# Altium PCB 58.13.0093_400_Rev00.PcbDoc (part 2 of 3)
Units mm, origin at the board's own origin, x right, y up, seen from the top; angles counter-clockwise.
Board outline 40 x 62.5 mm, 4 copper layers (Top Layer, Mid-Layer 1, Mid-Layer 2, Bottom Layer), stack 1.701 mm thick; 173 components, 104 nets, 583 pads, 329 vias.
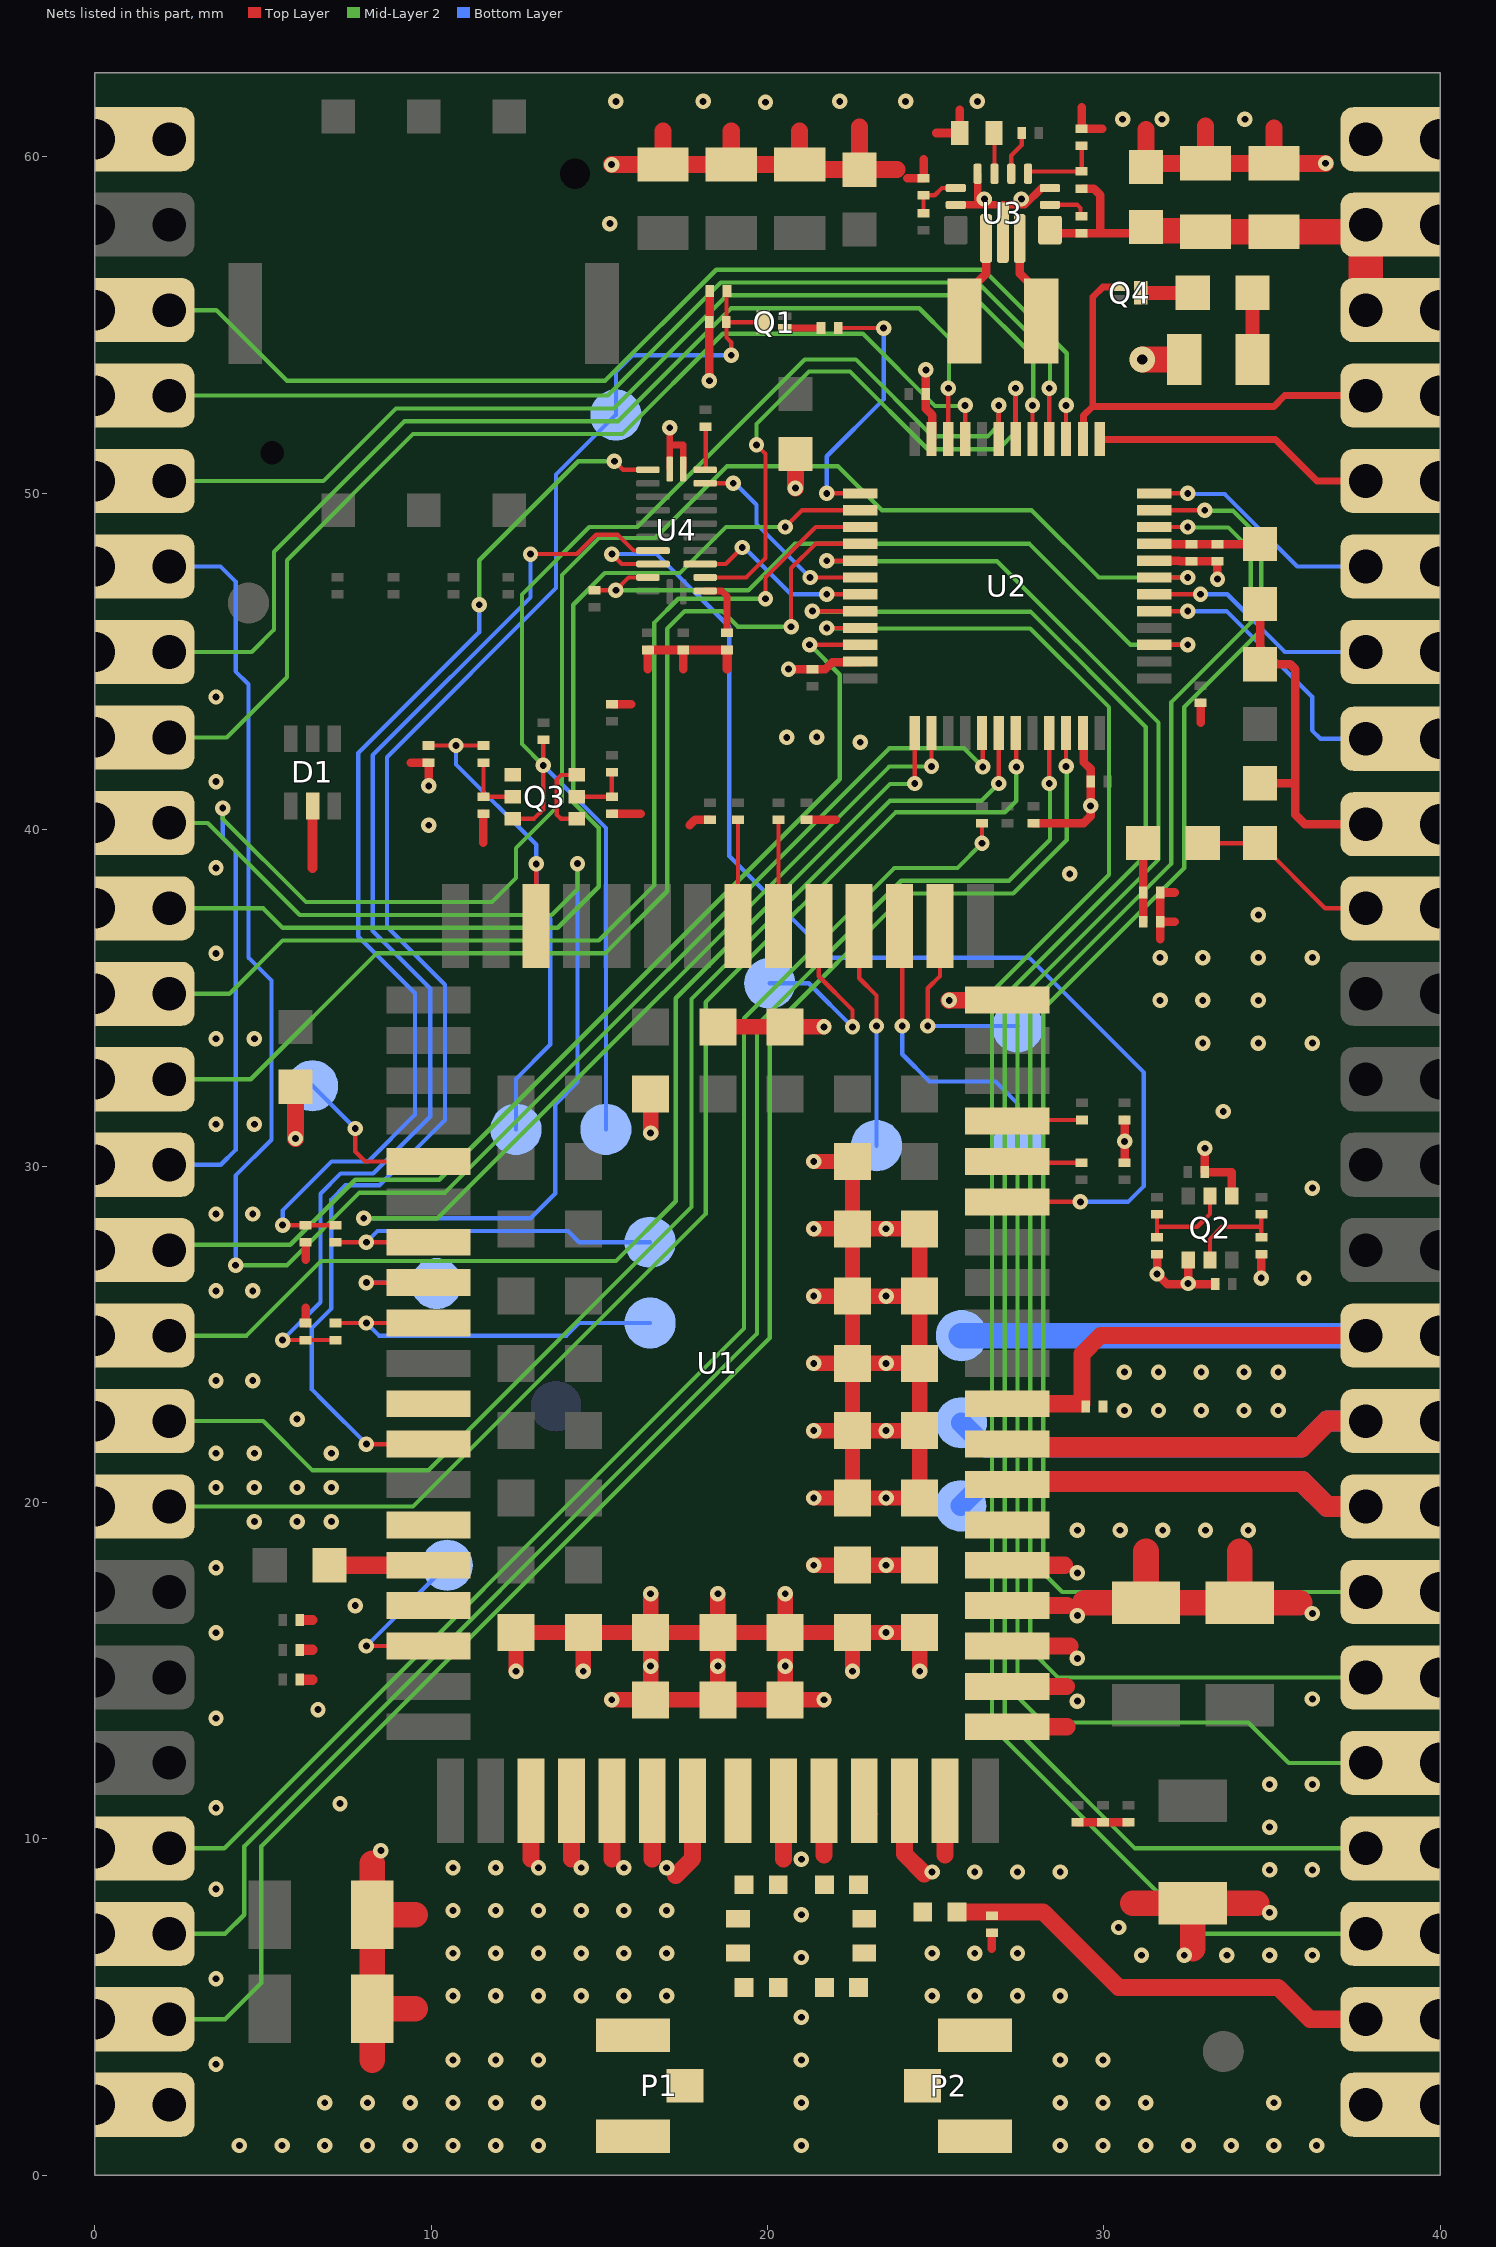
[diagram p4: the nets of this part, all layers, seen from the top]

## Via types
v1: diameter 0.457, hole 0.203, Top Layer to Bottom Layer, tented both sides, 322 vias
v2: diameter 0.762, hole 0.305, Top Layer to Bottom Layer, tented both sides, 5 vias
v3: diameter 1.016, hole 0.508, Top Layer to Bottom Layer, tented both sides, 2 vias

## Nets (pads, with @x,y where several pads share a name; then routed paths per layer and width w, separated by ;. In a path a pad name is that pad's centre, name@x,y a point inside that pad or via, vN(x,y) a via of type N, cw(c..) or ccw(c..) an arc to the next point about the centre after c; other vN are vias at no path point) (continued)
GND: C1.1 C2.1 C3.1 C4.2 C7.2 C8.2 C9.1 C10.1 C11.1 C12.2 C13.1 C14.1 C15.1 C16.1 C17.1 C18.2 C19.2 C20.2 C21.1 C22.1 C23.1 C24.1 C25.1 C30.1 C31.1 C32.1 C33.1 C34.1 C35.1 C36.1 C37.1 C38.1 C39.1 C40.1 C41.1 C42.1 C43.1 C44.1 C45.1 C46.1 C47.1 C48.1 C51.1 D1.2 J1.1 J24.1 J25.1 J48.1 L3.1 L4.1 L6.1 L7.1 P1.2 P1.3 P2.2 P2.3 Q2.1 Q2.4 Q3.4 R1.1 R4.1 R6.1 R9.2 R18.1 R21.1 R24.1 R29.1 R33.2 R34.1 R37.2 U1.4 U1.6 U1.9 U1.34 U1.47 U1.48 U1.49 U1.50 U1.51 U1.52 U1.54 U1.55 U1.57 U1.58 U1.60 U1.61 U1.62 U1.63 U1.64 U1.81 U1.82 U1.83 U1.85 U1.86 U1.88 U1.89 U1.90 U1.92 U1.93 U1.94 U1.95 U1.96 U1.97 U1.98 U1.99 U1.100 U1.101 U1.102 U1.103 U1.104 U1.105 U1.245 U1.250 U1.251 U1.252 U2.8 U2.23 U2.35 U2.47 U3.4 U3.6 U3.10 U3.15 U4.11 U4.12 | length 197.5
  Top Layer w0.178: U3.15@28.396,59.07 U3.15@28.414,59.089
  Top Layer w0.203: U4.12@17.096,50.72 17.096,51.435 ; v1(17.096,51.943) 17.096,51.435 ; U4.11@17.496,50.72 17.496,51.435 17.096,51.435
  Top Layer w0.229: U3.6@25.596,58.57 27.648,58.57 28.148,59.07 U3.15@28.396,59.07 ; v1@26.246,58.745 U3.4@26.246,59.495
  Top Layer w0.254: C10.1@6.274,25.335 6.274,25.781 ; 6.274,27.211 C9.1@6.274,27.735 ; 9.398,41.992 C25.1@9.925,41.992 9.925,41.561 ; 11.557,39.612 R21.1@11.557,40.474 ; R18.1@15.375,40.474 16.237,40.474 ; C24.1@15.375,43.732 15.944,43.732 ; 16.446,44.77 C48.1@16.446,45.339 C47.1@17.496,45.339 ; 17.496,44.77 C47.1@17.496,45.339 ; 17.685,40.132 17.849,40.296 C7.2@18.288,40.296 ; v1(18.271,53.34) C1.1@18.271,55.084 18.271,55.135 18.288,55.152 R1.1@18.288,56.007 ; 18.796,44.77 R37.2@18.796,45.339 C47.1@17.496,45.339 ; v1(20.622,44.77) C32.1@21.344,44.77 21.72,44.77 21.928,44.979 U2.35@22.778,44.979 ; C8.2@21.166,40.296 22.028,40.296 ; 24.155,59.362 R33.2@24.638,59.362 24.638,59.919 ; v1(24.708,53.665) C31.1@24.708,52.944 24.708,52.508 24.897,52.319 U2.23@24.897,51.597 ; 25.011,60.706 C46.1@25.713,60.706 25.713,61.401 ; 26.67,6.739 C51.1@26.67,7.214 ; R24.1@27.901,40.187 29.392,40.187 29.605,40.4 v1(29.605,40.705) ; C23.1@29.21,10.49 C22.1@29.972,10.49 C21.1@30.734,10.49 ; 29.337,61.468 R34.1@29.337,60.833 29.947,60.833 ; U2.47@29.397,42.86 29.397,42.01 29.605,41.802 C33.1@29.605,41.426 v1(29.605,40.705) ; v1@29.58,40.68 v1(29.605,40.705) ; C17.1@30.613,30.099 v1(30.613,30.732) C16.1@30.613,31.369 ; U2.8@31.494,47.994 32.245,47.994 32.258,47.981 C36.1@32.608,47.981 C35.1@33.37,47.981 33.37,47.453 v1(33.376,47.447) ; R6.1@31.578,27.373 v1(31.578,26.791) 31.877,26.492 C3.1@33.305,26.492 ; 31.679,36.748 C38.1@31.679,37.262 ; 32.1,37.262 C38.1@31.679,37.262 ; 32.1,38.131 C37.1@31.679,38.131 C38.1@31.679,37.262 ; v1(32.503,26.508) Q2.1@32.503,27.211 ; 32.874,43.18 C30.1@32.874,43.774 ; v1(33.001,30.529) C2.1@33.001,29.82 33.803,29.82 Q2.4@33.803,29.111 ; v1(34.677,26.67) R4.1@34.677,27.373 ; C44.1@35.052,59.805 C44.1@35.052,59.817
  Top Layer w0.305: C13.1@6.147,14.732 6.477,14.732 ; C14.1@6.147,15.621 6.477,15.621 ; C15.1@6.147,16.51 6.477,16.51 ; 6.477,38.862 D1.2@6.477,40.7
  Top Layer w0.457: v1(12.525,14.982) U1.245@12.525,16.135 U1.252@14.525,16.135 ; v1(14.525,14.982) U1.252@14.525,16.135 ; v1(15.372,14.135) U1.81@16.525,14.135 ; v1(16.525,17.288) U1.82@16.525,16.135 ; v1(16.525,30.982) U1.83@16.525,32.135 ; v1(18.525,17.288) U1.86@18.525,16.135 ; U1.88@18.525,34.135 U1.92@20.525,34.135 v1(21.678,34.135) ; v1(20.525,17.288) U1.90@20.525,16.135 ; v1(21.372,18.135) U1.93@22.525,18.135 U1.100@24.525,18.135 ; v1(21.372,20.135) U1.94@22.525,20.135 ; v1(21.372,22.135) U1.95@22.525,22.135 ; v1(21.372,24.135) U1.96@22.525,24.135 ; v1(21.372,26.135) U1.97@22.525,26.135 ; v1(21.372,28.135) U1.98@22.525,28.135 ; v1(21.372,30.135) U1.99@22.525,30.135 U1.98@22.525,28.135 ; v1(21.678,14.135) U1.89@20.525,14.135 ; v1(22.525,14.982) U1.251@22.525,16.135 ; v1(24.525,14.982) U1.250@24.525,16.135 U1.251@22.525,16.135 ; U1.252@14.525,16.135 U1.82@16.525,16.135 ; U1.81@16.525,14.135 U1.82@16.525,16.135 ; U1.81@16.525,14.135 U1.85@18.525,14.135 ; U1.82@16.525,16.135 U1.86@18.525,16.135 ; U1.85@18.525,14.135 U1.86@18.525,16.135 ; U1.85@18.525,14.135 U1.89@20.525,14.135 ; U1.86@18.525,16.135 U1.90@20.525,16.135 ; U1.89@20.525,14.135 U1.90@20.525,16.135 ; U1.90@20.525,16.135 U1.251@22.525,16.135 ; U1.94@22.525,20.135 U1.101@24.525,20.135 U1.102@24.525,22.135 ; U1.94@22.525,20.135 U1.95@22.525,22.135 ; U1.95@22.525,22.135 U1.102@24.525,22.135 ; U1.95@22.525,22.135 U1.96@22.525,24.135 ; U1.96@22.525,24.135 U1.103@24.525,24.135 ; U1.96@22.525,24.135 U1.97@22.525,26.135 ; U1.97@22.525,26.135 U1.98@22.525,28.135 ; U1.97@22.525,26.135 v1(23.525,26.135) U1.104@24.525,26.135 ; U1.98@22.525,28.135 U1.105@24.525,28.135 U1.104@24.525,26.135 ; U1.102@24.525,22.135 U1.103@24.525,24.135 ; U1.103@24.525,24.135 U1.104@24.525,26.135
  Top Layer w0.508: v1(5.969,30.818) R9.2@5.969,32.357 ; 12.975,9.398 U1.64@12.975,11.135 ; 14.175,9.398 U1.63@14.175,11.135 ; v1(15.367,59.766) C42.1@16.891,59.766 ; 15.375,9.398 U1.62@15.375,11.135 ; 16.575,9.398 U1.61@16.575,11.135 ; 16.891,60.769 C42.1@16.891,59.766 ; 17.272,8.915 17.775,9.418 U1.60@17.775,11.135 ; 18.923,60.769 C41.1@18.923,59.766 ; 20.475,9.398 U1.58@20.475,11.008 ; v1(20.828,50.15) C34.1@20.828,51.166 ; 20.955,60.769 C40.1@20.955,59.766 C41.1@18.923,59.766 ; 21.675,9.525 U1.57@21.675,11.135 ; 21.73,59.616 C39.1@22.733,59.616 ; 22.733,60.884 C39.1@22.733,59.616 ; 23.851,59.616 C39.1@22.733,59.616 ; U1.55@24.075,11.135 24.075,9.549 24.66,8.963 ; 25.275,9.525 U1.54@25.275,11.135 ; v1(25.4,34.925) U1.34@27.125,34.935 ; U1.52@27.125,13.335 28.897,13.335 ; U1.51@27.125,14.535 28.892,14.535 ; U1.50@27.125,15.735 28.985,15.735 ; U1.49@27.125,16.935 28.897,16.935 ; U1.48@27.125,18.135 28.829,18.135 ; 31.25,60.808 31.25,59.805 C43.1@33.02,59.805 ; 33.02,60.909 C43.1@33.02,59.805 ; C44.1@35.052,59.817 35.052,60.858 ; v1(36.589,59.805) C44.1@35.052,59.805 C43.1@33.02,59.805 ; C42.1@16.891,59.766 C41.1@18.923,59.766
  Top Layer w0.762: 8.255,3.429 C11.1@8.255,4.953 ; 8.255,9.271 C12.2@8.255,7.747 ; 9.525,4.953 C11.1@8.255,4.953 ; 9.525,7.747 C12.2@8.255,7.747 ; 29.433,17.018 C19.2@31.25,17.018 ; 30.861,8.087 C20.2@32.639,8.087 ; v2(31.138,53.975) R29.1@32.385,53.975 ; 31.25,18.542 C19.2@31.25,17.018 ; 32.639,6.731 C20.2@32.639,8.087 ; 34.036,18.542 C18.2@34.036,17.018 ; 34.544,8.087 C20.2@32.639,8.087 ; 35.814,17.018 C18.2@34.036,17.018 ; C11.1@8.255,4.953 C12.2@8.255,7.747 ; C19.2@31.25,17.018 C18.2@34.036,17.018
  other v1: 4.302,0.889 5.572,0.889 6.842,0.889 8.112,0.889 9.382,0.889 10.652,0.889 11.922,0.889 13.192,0.889 21.006,0.889 28.702,0.889 29.972,0.889 31.242,0.889 32.512,0.889 33.782,0.889 35.052,0.889 36.322,0.889 6.842,2.159 8.112,2.159 9.382,2.159 10.652,2.159 11.922,2.159 13.192,2.159 21.006,2.159 28.702,2.159 29.972,2.159 31.242,2.159 35.052,2.159 3.607,3.302 10.652,3.429 11.922,3.429 13.192,3.429 21.006,3.429 28.702,3.429 29.972,3.429 21.006,4.699 10.652,5.334 11.922,5.334 13.192,5.334 14.462,5.334 15.732,5.334 17.002,5.334 24.892,5.334 26.162,5.334 27.432,5.334 28.702,5.334 3.607,5.842 21.006,6.477 31.115,6.541 32.385,6.541 33.655,6.541 34.925,6.541 36.195,6.541 10.652,6.604 11.922,6.604 13.192,6.604 14.462,6.604 15.732,6.604 17.002,6.604 24.892,6.604 26.162,6.604 27.432,6.604 30.437,7.366 21.006,7.747 34.925,7.811 10.652,7.874 11.922,7.874 13.192,7.874 14.462,7.874 15.732,7.874 17.002,7.874 3.607,8.509 24.892,9.017 26.162,9.017 27.432,9.017 28.702,9.017 34.925,9.081 36.195,9.081 10.652,9.144 11.922,9.144 13.192,9.144 14.462,9.144 15.732,9.144 17.002,9.144 21.006,9.398 8.509,9.652 34.925,10.351 3.607,10.922 7.292,11.049 34.925,11.621 36.195,11.621 3.607,13.589 6.639,13.843 29.21,14.097 36.195,14.161 16.525,15.135 18.525,15.135 20.525,15.135 29.21,15.367 3.607,16.129 23.525,16.135 29.21,16.637 36.195,16.701 7.747,16.935 29.21,17.907 3.607,18.06 23.525,18.135 29.21,19.177 30.48,19.177 31.75,19.177 33.02,19.177 34.29,19.177 4.75,19.431 6.02,19.431 7.036,19.431 23.525,20.135 3.607,20.447 4.75,20.447 6.02,20.447 7.036,20.447 3.607,21.463 4.75,21.463 7.036,21.463 23.525,22.135 6.02,22.479 30.607,22.733 31.623,22.733 32.893,22.733 34.163,22.733 35.179,22.733 3.607,23.622 4.699,23.622 30.607,23.876 31.623,23.876 32.893,23.876 34.163,23.876 35.179,23.876 23.525,24.135 3.607,26.289 4.699,26.289 35.947,26.67 23.525,28.135 3.607,28.575 4.699,28.575 36.195,29.345 3.607,31.242 4.75,31.242 33.547,31.623 32.938,33.655 34.589,33.655 36.195,33.655 3.607,33.782 4.75,33.782 31.668,34.925 32.938,34.925 34.589,34.925 31.668,36.195 32.938,36.195 34.589,36.195 36.195,36.195 3.607,36.322 34.589,37.465 28.985,38.684 3.607,38.862 9.931,40.132 9.931,41.3 3.607,41.426 22.755,42.596 20.574,42.74 21.463,42.748 3.607,43.942 15.316,58.014 26.446,58.745 27.546,58.745 30.556,61.112 31.725,61.112 34.188,61.112 19.939,61.62 15.494,61.646 18.085,61.646 22.149,61.646 24.105,61.646 26.238,61.646
GNSS_ANT: C50.2 L5.2 L6.2 U1.56 | length 0.6
  Top Layer w0.003: U1.56@22.875,11.135 22.875,11.131 23.274,10.733 23.277,10.733
I2C1_SCL: J16.1 U2.42 | length 38.7
  Top Layer w0.127: v1(26.875,41.371) U2.42@26.875,42.875
  Mid-Layer 2 w0.127: J16.1@2.4,22.42 5.012,22.42 6.477,20.955 9.916,20.955 17.744,28.783 17.744,34.963 23.639,40.859 26.363,40.859 v1(26.875,41.371)
I2C1_SDA: J17.1 U2.43 | length 41.8
  Top Layer w0.127: v1(27.397,41.863) U2.43@27.397,42.86
  Mid-Layer 2 w0.127: J17.1@0,19.88 J17.1@2.22,19.88 9.466,19.88 18.161,28.575 18.161,34.868 23.806,40.513 27.051,40.513 27.397,40.859 v1(27.397,41.863)
MCU_BOOT: J21.1 R22.1 | length 44.7
  Top Layer w0.127: v1(26.377,39.593) R22.1@26.377,40.187
  Mid-Layer 2 w0.127: J21.1@0,9.72 J21.1@2.22,9.72 3.853,9.72 19.304,25.171 19.304,34.395 23.771,38.862 25.645,38.862 v1(26.377,39.593)
MCU_NRST: J13.1 U2.7 | length 54.7
  Top Layer w0.127: U2.7@31.494,47.494 v1(32.49,47.494)
  Mid-Layer 2 w0.127: v1(3.81,40.64) 3.81,40.318 6.282,37.846 11.811,37.846 12.525,38.56 12.525,39.449 13.894,40.818 13.894,47.565 14.995,48.666 16.662,48.666 18.796,50.8 22.098,50.8 23.404,49.494 27.849,49.494 29.849,47.494 v1(32.49,47.494)
  Bottom Layer w0.127: J13.1@2.22,30.04 3.751,30.04 4.191,30.48 4.191,39.37 3.81,39.751 v1@3.81,40.601
MCU_PA0: J30.1 U2.10 | length 48.8
  Top Layer w0.127: U2.10@31.494,48.994 v1(32.49,48.994)
  Mid-Layer 2 w0.127: v1@32.512,48.979 33.698,48.979 34.366,48.311 34.366,46.152 32.004,43.79 32.004,38.989 27.813,34.798 27.813,15.621 28.634,14.8 J30.1@37.78,14.8
MCU_PA1: J31.1 U2.11 | length 46.7
  Top Layer w0.127: U2.11@31.494,49.494 v1(32.998,49.494)
  Mid-Layer 2 w0.127: v1@33.02,49.479 33.833,49.479 34.677,48.635 34.677,45.934 32.385,43.643 32.385,38.862 28.194,34.671 28.194,17.907 28.761,17.34 J31.1@37.78,17.34
MCU_PA8: J29.1 U2.29 | length 54.7
  Top Layer w0.127: v1(21.76,47.994) U2.29@22.756,47.994
  Mid-Layer 2 w0.127: v1@21.781,47.979 26.824,47.979 31.623,43.18 31.623,39.116 27.432,34.925 27.432,14.224 28.194,13.462 34.29,13.462 35.492,12.26 J29.1@37.78,12.26
MCU_PA11: J28.1 U2.32 | length 56.3
  Top Layer w0.127: v1(21.333,46.494) U2.32@22.756,46.494
  Mid-Layer 2 w0.127: v1@21.333,46.479 27.816,46.479 31.242,43.053 31.242,39.243 27.051,35.052 27.051,13.589 30.92,9.72 J28.1@37.78,9.72
MCU_PA12: J27.1 U2.33 | length 55.7
  Top Layer w0.127: v1(21.76,45.994) U2.33@22.756,45.994
  Mid-Layer 2 w0.127: v1@21.781,45.979 27.811,45.979 30.15,43.64 30.15,38.659 26.67,35.179 26.67,13.335 32.825,7.18 J27.1@37.78,7.18
MCU_PA15: J9.1 U2.38 | length 56.1
  Top Layer w0.127: v1(24.875,41.879) U2.38@24.875,42.875
  Mid-Layer 2 w0.127: J9.1@0,40.2 J9.1@2.22,40.2 3.361,40.2 6.096,37.465 13.589,37.465 14.351,38.227 v1(14.351,38.989) ; v1(8.001,28.448) 10.191,28.448 23.622,41.879 v1(24.875,41.879)
  Bottom Layer w0.127: v1(8.001,28.448) 12.954,28.448 13.691,29.185 13.691,31.836 14.351,32.496 v1(14.351,38.989)
MCU_PB5: J6.1 U2.41 | length 55.4
  Top Layer w0.127: v1(26.397,41.863) U2.41@26.397,42.86
  Mid-Layer 2 w0.127: v1(4.191,27.051) 5.715,27.051 7.874,29.21 10.414,29.21 23.622,42.418 25.842,42.418 v1(26.397,41.863)
  Bottom Layer w0.127: J6.1@0,47.82 J6.1@2.22,47.82 3.742,47.82 4.191,47.371 4.191,44.704 4.572,44.323 4.572,36.195 5.254,35.513 5.254,30.781 4.191,29.718 v1(4.191,27.051)
MCU_PB8: J22.1 U2.45 | length 49.4
  Top Layer w0.127: v1(28.375,41.371) U2.45@28.375,42.875
  Mid-Layer 2 w0.127: J22.1@2.22,7.18 3.878,7.18 4.445,7.747 4.445,9.779 19.685,25.019 19.685,34.188 23.978,38.481 27.178,38.481 28.397,39.7 v1@28.397,41.355
MCU_PB9: J23.1 U2.46 | length 54.3
  Top Layer w0.127: v1(28.875,41.879) U2.46@28.875,42.875
  Mid-Layer 2 w0.127: J23.1@0,4.64 J23.1@2.22,4.64 3.878,4.64 4.953,5.715 4.953,9.779 20.066,24.892 20.066,34.036 24.13,38.1 27.305,38.1 28.897,39.692 v1@28.897,41.863
MCU_PH0: J41.1 U2.5 | length 8.4
  Top Layer w0.127: U2.5@31.494,46.494 v1(32.49,46.494)
  Bottom Layer w0.127: v1(32.49,46.494) 33.643,46.494 36.188,43.949 36.188,42.95 36.437,42.701 J41.1@37.78,42.701
MCU_PH1: J42.1 U2.6 | length 7
  Top Layer w0.127: U2.6@31.494,46.994 v1(32.87,46.994)
  Bottom Layer w0.127: v1(32.87,46.994) 33.663,46.994 35.377,45.28 J42.1@37.78,45.28
MCU_STATUS: J45.1 Q4.1 U2.14 | length 13.5
  Top Layer w0.203: U2.14@29.397,51.597 29.397,52.307 29.667,52.578 ; Q4.1@30.44,56.129 29.967,56.129 29.667,55.829 29.667,52.578 ; J45.1@37.78,52.9 35.374,52.9 35.052,52.578 29.667,52.578
MCU_SWCLK: J15.1 U2.37 | length 34
  Top Layer w0.127: v1(24.375,41.371) U2.37@24.375,42.875
  Mid-Layer 2 w0.127: J15.1@2.22,24.96 4.513,24.96 6.731,27.178 15.494,27.178 17.272,28.956 17.272,34.986 23.641,41.355 v1@24.397,41.355
MCU_SWDIO: J14.1 U2.34 | length 31.6
  Top Layer w0.127: v1(21.252,45.494) U2.34@22.756,45.494
  Mid-Layer 2 w0.127: J14.1@2.22,27.5 2.381,27.661 5.817,27.661 7.747,29.591 10.242,29.591 22.149,41.498 22.149,44.603 v1@21.273,45.479
MCU_VDDA: J40.1 R25.1 R26.1 R28.2 | length 10.5
  Top Layer w0.254: R28.2@34.64,41.377 35.687,41.377 ; R25.1@34.64,46.708 R26.1@34.64,44.917 35.538,44.917 35.687,44.768 35.687,41.377 ; J40.1@37.78,40.161 35.972,40.161 35.687,40.446 35.687,41.377
MCU_VREF+: J39.1 R27.1 R28.1 | length 5.6
  Top Layer w0.127: R27.1@32.938,39.599 R28.1@34.64,39.599 36.578,37.66 J39.1@37.78,37.66
NetC46_2: C46.2 U3.3 | length 1.2
  Top Layer w0.127: C46.2@26.729,60.706 26.746,60.689 U3.3@26.746,59.495
NetC49_1: C49.1 L4.2 P1.1
NetC50_1: C50.1 L7.2 P2.1
NetL1_A: L1.A Q4.3 | length 1.6
  Top Layer w0.406: Q4.3@31.09,55.951 32.634,55.951 L1.A@32.639,55.956
NetL1_K: L1.K R29.2 | length 2
  Top Layer w0.406: R29.2@34.417,53.975 L1.K@34.417,55.956
NetL2_1: L2.1 U3.11 | length 2.7
  Top Layer w0.254: U3.11@27.496,57.57 27.496,56.527 28.139,55.884 L2.1@28.139,55.118
NetL2_2: L2.2 U3.9 | length 2.7
  Top Layer w0.254: L2.2@25.853,55.118 25.853,55.88 26.496,56.523 U3.9@26.496,57.57
NetQ1_1: Q1.1 R2.2 | length 1.1
  Top Layer w0.203: Q1.1@20.518,54.907 R2.2@21.59,54.907
NetQ2_2: Q2.2 R3.2 R4.2 | length 3
  Top Layer w0.127: Q2.2@33.153,27.211 33.153,27.828 33.519,28.194 34.677,28.194 ; R4.2@34.677,27.881 34.677,28.194 ; R3.2@34.677,28.567 34.677,28.194
NetQ2_5: Q2.5 R5.2 R6.2 | length 3
  Top Layer w0.127: R6.2@31.578,27.881 R5.2@31.578,28.567 ; 31.578,28.194 32.772,28.194 33.153,28.575 Q2.5@33.153,29.111
NetQ3_1: Q3.1 Q3.3 | length 2.3
  Top Layer w0.127: Q3.1@14.329,40.326 13.853,40.326 13.739,40.439 13.739,41.501 13.864,41.626 Q3.3@14.329,41.626
NetQ3_2: Q3.2 R17.2 R18.2 | length 1.8
  Top Layer w0.127: Q3.2@14.329,40.976 15.369,40.976 15.369,41.693 R17.2@15.375,41.7
NetQ3_5: Q3.5 R20.2 R21.2 | length 1.9
  Top Layer w0.127: R20.2@11.557,41.992 R21.2@11.557,40.982 11.563,40.976 Q3.5@12.429,40.976
NetR10_1: R10.1 U1.27 | length 3.2
  Top Layer w0.127: U1.27@19.125,37.135 R10.1@19.125,40.296
NetR13_2: R13.2 U1.5 | length 2.9
  Top Layer w0.508: R13.2@6.985,18.135 U1.5@9.925,18.135
NetR14_1: R14.1 U1.28 | length 3.2
  Top Layer w0.127: U1.28@20.325,37.135 R14.1@20.325,40.296
NetR15_1: R15.1 U1.37 | length 2.2
  Top Layer w0.127: U1.37@27.125,31.335 27.159,31.369 R15.1@29.345,31.369
NetR16_1: R16.1 U1.38 | length 2.2
  Top Layer w0.127: U1.38@27.125,30.135 27.161,30.099 R16.1@29.337,30.099
NetR30_1: R30.1 R33.1 U3.5 | length 1.6
  Top Layer w0.127: R30.1@24.638,58.324 R33.1@24.638,58.854 24.97,58.854 25.187,59.07 U3.5@25.596,59.07
NetR31_2: R31.2 R34.2 U3.1@27.746,59.495 | length 2.4
  Top Layer w0.127: U3.1@27.746,59.495 27.814,59.563 R31.2@29.337,59.563 R34.2@29.337,60.325
  Top Layer w0.178: U3.1@27.746,59.495 27.746,59.532 U3.1@27.764,59.551
NetR32_2: R32.2 U3.14 | length 1.2
  Top Layer w0.127: U3.14@28.396,58.57 29.21,58.57 29.306,58.474 29.306,58.262 R32.2@29.337,58.231
NetR35_1: R35.1 U3.2 | length 1.3
  Top Layer w0.127: U3.2@27.246,59.495 27.246,60.037 27.559,60.35 R35.1@27.559,60.706
NetR37_1: R37.1 U4.1 | length 1.8
  Top Layer w0.203: U4.1@18.146,47.095 18.64,47.095 18.796,46.939 R37.1@18.796,45.847
NetR38_1: R38.1 U4.10 | length 1.3
  Top Layer w0.127: U4.10@18.146,50.695 18.161,50.71 R38.1@18.161,51.968
NetTP_CTS_0_1: TP_CTS_0.1 U1.12 | length 3.9
  Top Layer w0.127: v1(8.077,26.535) U1.12@9.925,26.535
  Bottom Layer w0.127: v1(8.077,26.535) 10.133,26.535 TP_CTS_0.1@10.16,26.508
NetTP_CTS_1_1: TP_CTS_1.1 U1.32 | length 5.8
  Top Layer w0.127: v1(24.765,34.163) 24.765,35.284 25.125,35.645 U1.32@25.125,37.135
  Bottom Layer w0.127: v1(24.765,34.163) TP_CTS_1.1@27.432,34.163
NetTP_rfu_1: TP_rfu.1 U1.3 | length 5.2
  Top Layer w0.127: v1(8.077,15.735) U1.3@9.925,15.735
  Bottom Layer w0.127: v1(8.077,15.735) TP_rfu.1@10.477,18.135
NetTP_RTS_0_1: TP_RTS_0.1 U1.15 | length 4.8
  Top Layer w0.127: v1(7.747,31.115) 7.747,30.432 8.044,30.135 U1.15@9.925,30.135
  Bottom Layer w0.127: TP_RTS_0.1@6.477,32.385 v1(7.747,31.115)
NetTP_RTS_1_1: TP_RTS_1.1 U1.31 | length 9.1
  Top Layer w0.127: U1.31@23.925,37.135 23.925,36.576 24.003,36.498 v1(24.003,34.163)
  Bottom Layer w0.127: v1(24.003,34.163) 24.003,33.324 24.815,32.512 26.779,32.512 27.432,31.859 TP_RTS_1.1@27.432,30.607
NetTP_RXD_1_1: TP_RXD_1.1 U1.30 | length 6.7
  Top Layer w0.127: U1.30@22.725,37.135 22.725,35.583 23.241,35.067 v1(23.241,34.163)
  Bottom Layer w0.127: TP_RXD_1.1@23.241,30.607 v1(23.241,34.163)
NetTP_TXD_1_1: TP_TXD_1.1 U1.29 | length 6.4